# KiCad board PWB4000231.kicad_pcb
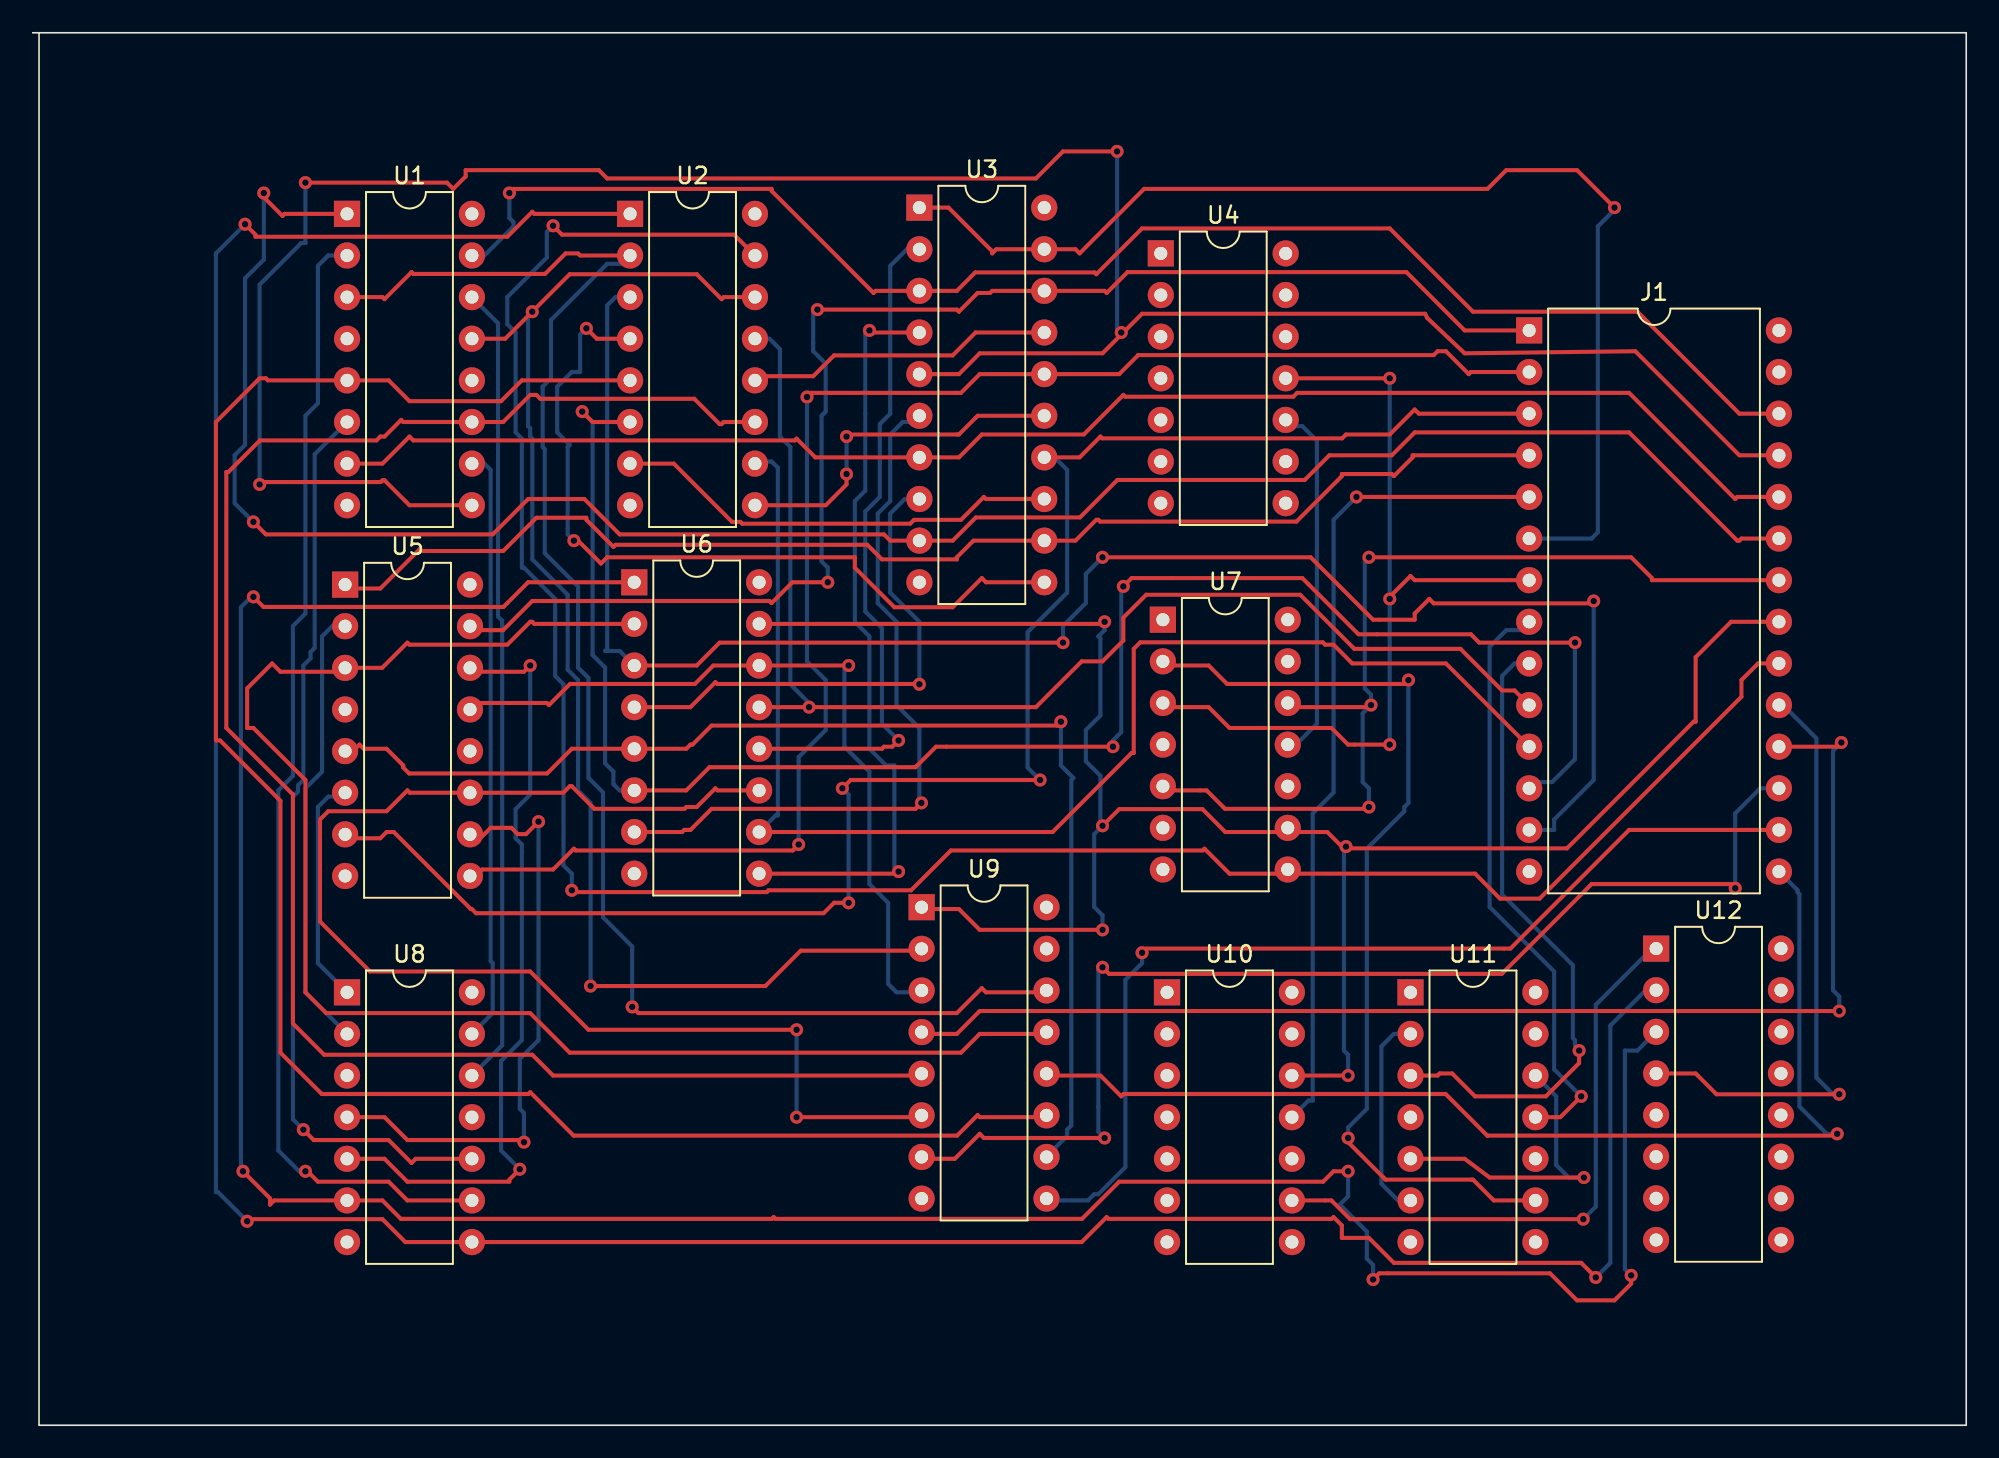
[diagram p0: board, top side]
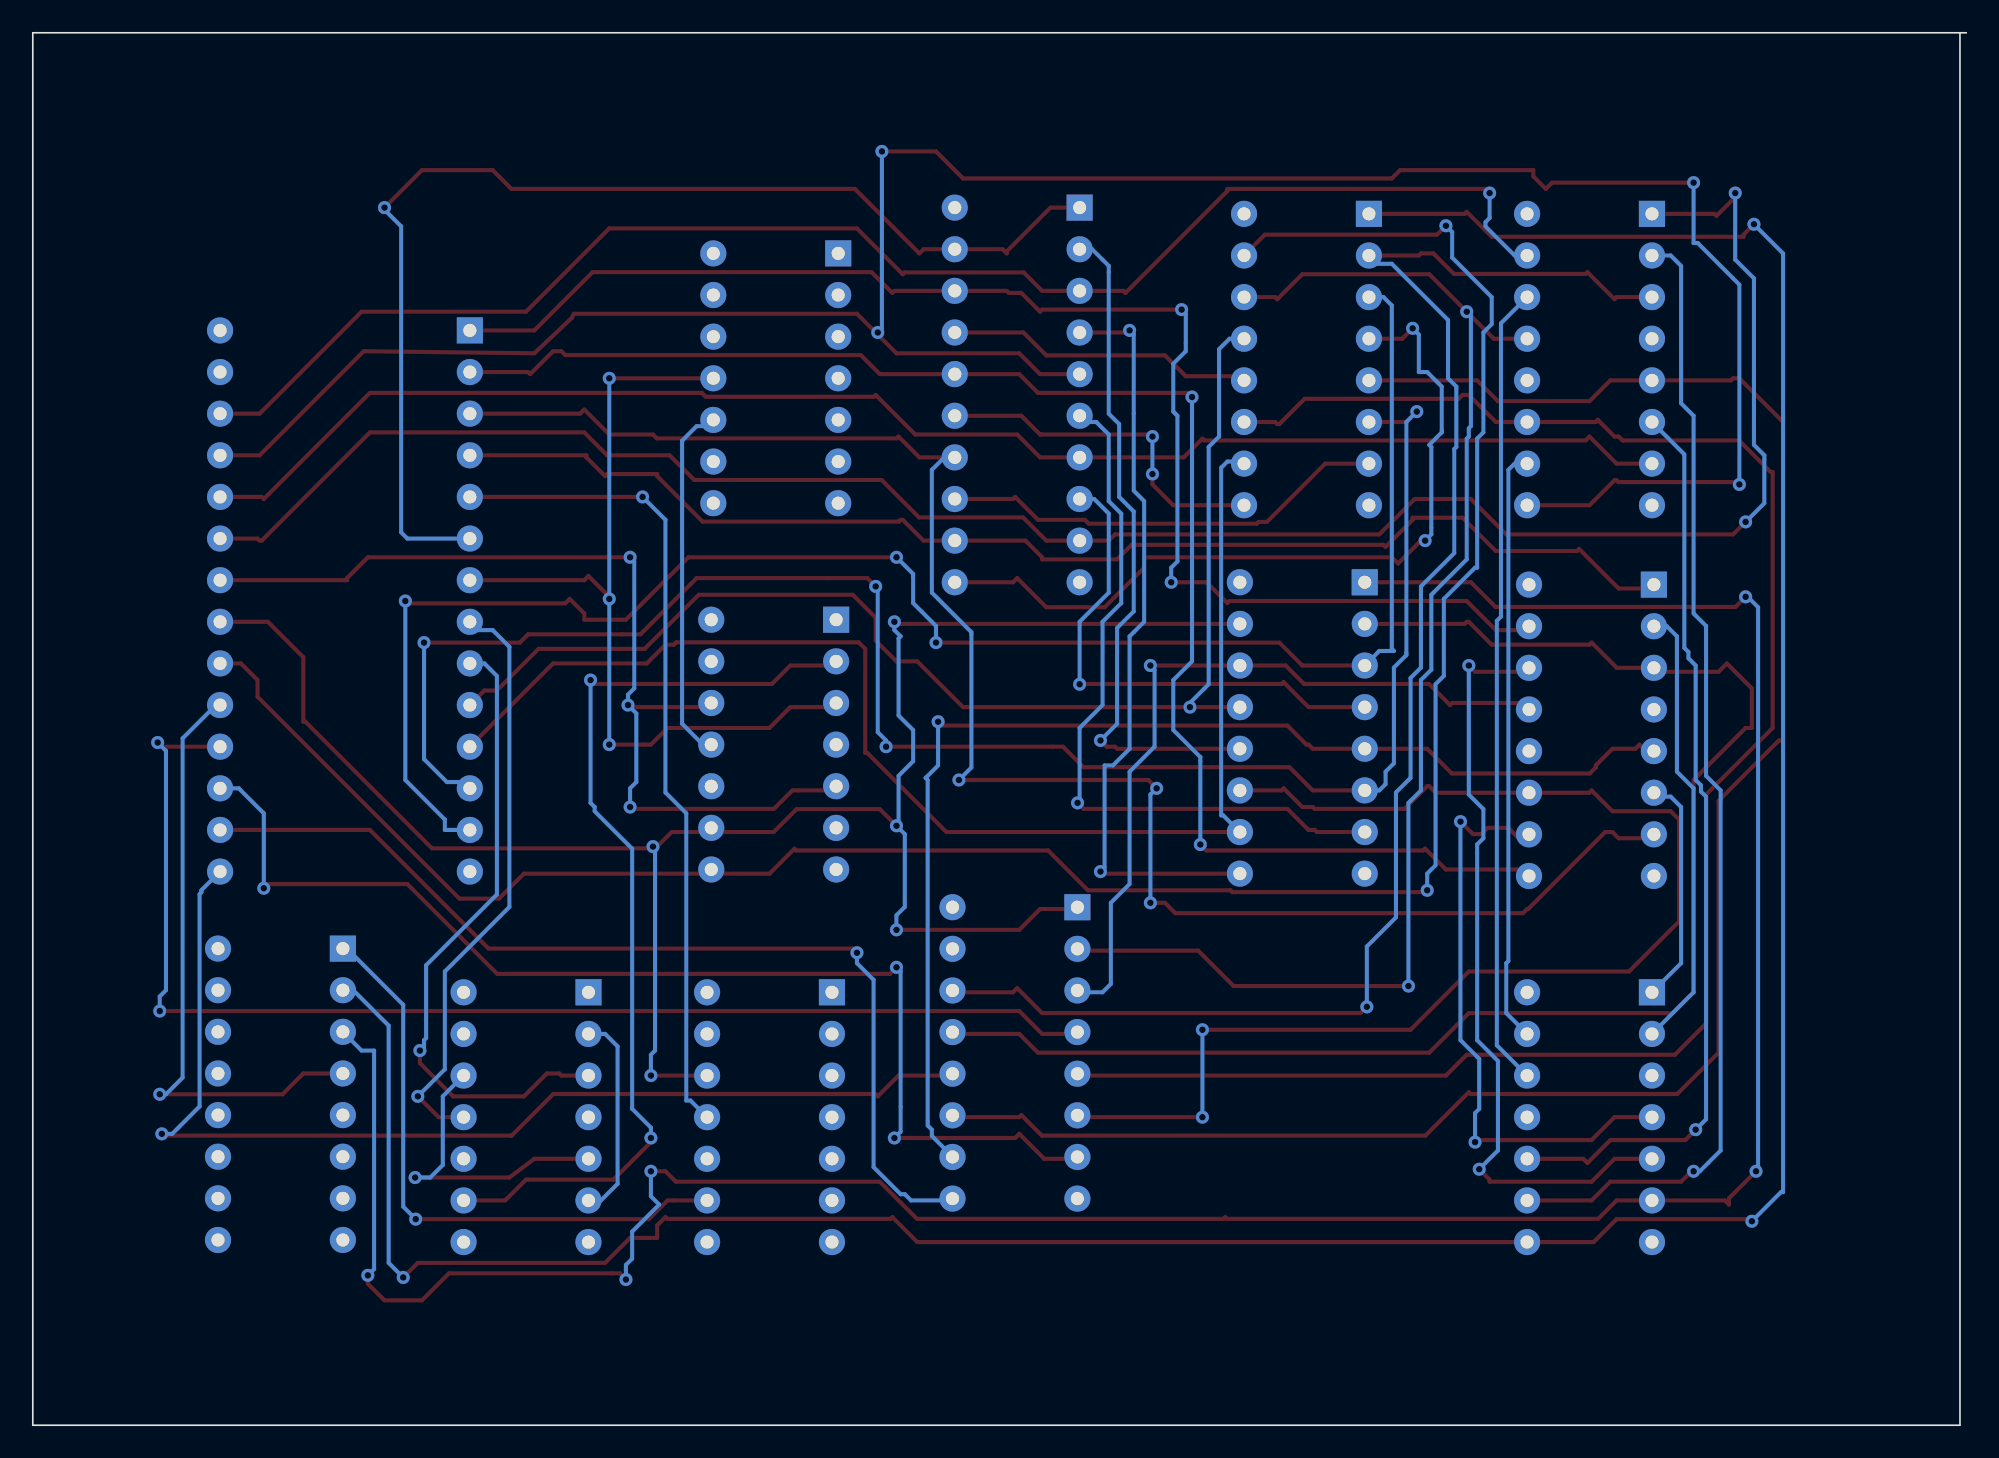
[diagram p1: board, bottom side, seen from below]

Outline 117.98 x 84.96 mm; copper layers: Top, Bottom. Coordinates in mm from the lower left corner of the outline.
Outline path: 0,84.96 117.98,84.96 117.98,0 0.38,0 0.38,84.96

## Placement (name value [footprint] x y rotation side)
J1  Conn_02x14_Counter_Clockwise  [DIP-28_W15.24mm]  91.31 66.8 0 top
U1  74LS375  [DIP-16_W7.62mm]  19.18 73.91 0 top
U2  74LS157  [DIP-16_W7.62mm]  36.45 73.91 0 top
U3  74LS244  [DIP-20_W7.62mm]  54.1 74.3 0 top
U4  74LS04  [DIP-14_W7.62mm]  68.83 71.5 0 top
U5  74LS375  [DIP-16_W7.62mm]  19.06 51.29 0 top
U6  74LS157  [DIP-16_W7.62mm]  36.7 51.44 0 top
U7  74LS74  [DIP-14_W7.62mm]  68.96 49.15 0 top
U8  74LS21  [DIP-14_W7.62mm]  19.18 26.42 0 top
U9  74LS157  [DIP-16_W7.62mm]  54.24 31.61 0 top
U10  74LS74  [DIP-14_W7.62mm]  69.22 26.42 0 top
U11  74LS74  [DIP-14_W7.62mm]  84.07 26.42 0 top
U12  74LS157  [DIP-16_W7.62mm]  99.06 29.08 0 top

## Library data of the parts
J1 = -: Description: Generic connector, double row, 02x14, counter clockwise pin numbering scheme (similar to DIP package numbering), script generated (kicad-library-utils/schlib/autogen/connector/)
U1 U5 = -: Description: 4-bit Latch
U2 U6 U9 U12 = -: Description: Quad 2 to 1 line Multiplexer
U3 = -: Description: Octal Buffer and Line Driver With 3-State Output, active-low enables, non-inverting outputs
U4 = -: Description: Hex Inverter
U7 U10 U11 = -: Description: Dual D Flip-flop, Set & Reset
U8 = -: Description: Dual 4-input AND

## Footprints (pads in the part's own frame, mm; a bottom-side part is the same pattern mirrored in y, then rotated)
DIP-14_W7.62mm
  rect 1.6x1.6 hole 0.8: 1(0,0)
  oval 1.6x1.6 hole 0.8: 2(0,-2.54) 3(0,-5.08) 4(0,-7.62) 5(0,-10.16) 6(0,-12.7) 7(0,-15.24) 8(7.62,-15.24) 9(7.62,-12.7) 10(7.62,-10.16) 11(7.62,-7.62) 12(7.62,-5.08) 13(7.62,-2.54) 14(7.62,0)
DIP-16_W7.62mm
  rect 1.6x1.6 hole 0.8: 1(0,0)
  oval 1.6x1.6 hole 0.8: 2(0,-2.54) 3(0,-5.08) 4(0,-7.62) 5(0,-10.16) 6(0,-12.7) 7(0,-15.24) 8(0,-17.78) 9(7.62,-17.78) 10(7.62,-15.24) 11(7.62,-12.7) 12(7.62,-10.16) 13(7.62,-7.62) 14(7.62,-5.08) 15(7.62,-2.54) 16(7.62,0)
DIP-20_W7.62mm
  rect 1.6x1.6 hole 0.8: 1(0,0)
  oval 1.6x1.6 hole 0.8: 2(0,-2.54) 3(0,-5.08) 4(0,-7.62) 5(0,-10.16) 6(0,-12.7) 7(0,-15.24) 8(0,-17.78) 9(0,-20.32) 10(0,-22.86) 11(7.62,-22.86) 12(7.62,-20.32) 13(7.62,-17.78) 14(7.62,-15.24) 15(7.62,-12.7) 16(7.62,-10.16) 17(7.62,-7.62) 18(7.62,-5.08) 19(7.62,-2.54) 20(7.62,0)
DIP-28_W15.24mm
  rect 1.6x1.6 hole 0.8: 1(0,0)
  oval 1.6x1.6 hole 0.8: 2(0,-2.54) 3(0,-5.08) 4(0,-7.62) 5(0,-10.16) 6(0,-12.7) 7(0,-15.24) 8(0,-17.78) 9(0,-20.32) 10(0,-22.86) 11(0,-25.4) 12(0,-27.94) 13(0,-30.48) 14(0,-33.02) 15(15.24,-33.02) 16(15.24,-30.48) 17(15.24,-27.94) 18(15.24,-25.4) 19(15.24,-22.86) 20(15.24,-20.32) 21(15.24,-17.78) 22(15.24,-15.24) 23(15.24,-12.7) 24(15.24,-10.16) 25(15.24,-7.62) 26(15.24,-5.08) 27(15.24,-2.54) 28(15.24,0)

## Nets
+5V: U2.16 U6.16
PIN01: J1.1 U3.18 U5.15
PIN02: J1.2 U3.16 U5.9
PIN03: J1.3 U3.14 U5.7
PIN04: J1.4 U3.12 U5.1
PIN05: J1.5 U10.11
PIN06: J1.6 U3.1 U3.19
PIN07: J1.7 U4.11 U7.3
PIN08: J1.8 U11.11
PIN09: J1.9 U11.3
PIN10: J1.10 U2.13 U6.13
PIN11: J1.11 U2.10 U6.10
PIN12: J1.12 U2.6 U6.6
PIN13: J1.13 U2.3 U6.3
PIN15: J1.15 U9.12
PIN16: J1.16 U9.9
PIN17: J1.17 U9.7
PIN18: J1.18 U9.4
PIN19: J1.19 U12.4
PIN20: J1.20 U7.8
PIN21: J1.21 U6.15 U7.9 U10.12
PIN22: J1.22 U7.5 U7.12
PIN23: J1.23 U1.1 U3.9
PIN24: J1.24 U1.7 U3.7
PIN25: J1.25 U1.9 U3.5
PIN26: J1.26 U1.15 U3.3
UNK1: U6.1 U8.6 U12.3
UNK2: U2.1 U8.8 U12.2
Net-(U1-Q0): U1.3 U2.2 U9.14
Net-(U1-Q1): U1.5 U2.5 U9.11
Net-(U1-Q2): U1.11 U2.11 U9.5
Net-(U1-Q3): U1.13 U2.14 U9.2
Net-(U1-~{Q0}): U1.2 U8.9
Net-(U1-~{Q1}): U1.6 U8.10
Net-(U1-~{Q2}): U1.10 U8.13
Net-(U1-~{Q3}): U1.14 U8.12
Net-(U2-Za): U2.4 U3.11
Net-(U2-Zb): U2.7 U3.13
Net-(U2-Zc): U2.9 U3.15
Net-(U2-Zd): U2.12 U3.17
Net-(U3-I0a): U3.2 U6.12
Net-(U3-I1a): U3.4 U6.9
Net-(U3-I2a): U3.6 U6.7
Net-(U3-I3a): U3.8 U6.4
Net-(U5-Q0): U5.3 U6.2 U9.13
Net-(U5-Q1): U5.5 U6.5 U9.10
Net-(U5-Q2): U5.11 U6.11 U9.6
Net-(U5-Q3): U5.13 U6.14 U9.3
Net-(U5-~{Q0}): U5.2 U8.2
Net-(U5-~{Q1}): U5.6 U8.1
Net-(U5-~{Q2}): U5.10 U8.4
Net-(U5-~{Q3}): U5.14 U8.5
Net-(U7B-C): U4.10 U7.11
Net-(U10B-Q): U10.9 U12.1
Net-(U11A-D): U11.2 U11.6
Net-(U11A-Q): U11.5 U11.12
Net-(U11B-Q): U7.2 U11.9

Pads without a net: J1 14 27 28; U1 4 8 12 16; U2 8 15; U3 10 20; U4 1 2 3 4 5 6 7 8 9 12 13 14; U5 4 8 12 16; U6 8; U7 1 4 6 7 10 13 14; U8 3 7 11 14; U9 1 8 15 16; U10 1 2 3 4 5 6 7 8 10 13 14; U11 1 4 7 8 10 13 14; U12 5 6 7 8 9 10 11 12 13 14 15 16

## Via types
v1: diameter 0.8, hole 0.4, Top to Bottom, 81 vias

## Routing (per net, layer and track width the routed paths; a pad name or vN(x,y) marks a point on that pad's centre or on a via; arc(x,y) is an arc through that point)
PIN01: length 86.7
  Top w0.25: v1(47.88,68.07) 56.39,68.07 56.51,67.94 57.66,69.09 58.42,69.09 58.55,69.22 U3.18 65.41,69.22 65.53,69.09 66.8,70.36 83.82,70.36 87.38,66.8 J1.1 ; v1(48.51,51.44) 46.35,51.44 45.08,50.17 44.96,50.29 30.48,50.29 28.7,48.51 26.54,48.51
  Bottom w0.25: v1(47.88,68.07) 47.62,67.82 47.62,65.53 48.39,64.77 48.39,61.85 48.13,61.59 48.13,52.7 48.51,52.32 v1(48.51,51.44)
PIN02: length 95.5
  Top w0.25: v1(46.74,35.43) 46.37,35.07 33.13,35.07 33.02,35.18 31.75,33.91 27.43,33.91 26.8,33.27 26.54,33.27 ; J1.2 87.76,64.26 87.63,64.13 86.23,65.53 85.72,65.53 85.49,65.3 67.46,65.3 66.29,64.13 U3.16 57.78,64.13 56.64,62.99 47.5,62.99 v1(47.24,62.74)
  Bottom w0.25: v1(47.24,62.74) 47.24,46.61 48.39,45.47 48.39,42.42 46.74,40.77 v1(46.74,35.43)
PIN03: length 105.7
  Top w0.25: U3.14 63.88,59.05 65.15,60.32 65.26,60.22 79.9,60.22 80.14,60.45 82.8,60.45 84.33,61.98 84.58,61.72 J1.3 ; v1(49.78,31.88) 48.9,31.88 48.26,31.24 27.05,31.24 26.8,31.5 26.73,31.5 22.03,36.19 21.59,36.19 21.21,35.81 18.92,35.81 ; v1(61.47,39.37) 49.91,39.37 v1(49.4,38.86)
  Bottom w0.25: v1(61.47,39.37) 60.71,40.13 60.71,48.39 63.12,50.8 63.12,58.29 62.36,59.05 U3.14 ; v1(49.78,31.88) 49.78,38.48 v1(49.4,38.86)
PIN04: length 78.6
  Top w0.25: 18.92,51.05 21.21,51.05 23.62,53.47 23.75,53.34 28.7,53.34 30.73,55.37 33.78,55.37 33.78,55.24 35.43,53.59 35.56,53.72 50.93,53.72 51.82,52.83 56.39,52.83 56.39,52.96 57.4,53.98 U3.12 63.63,53.98 64.9,55.24 65.02,55.24 65.13,55.14 77.11,55.14 79.88,57.91 79.88,58.04 82.93,58.04 83.06,57.91 84.2,59.05 84.2,59.18 J1.4
PIN05: length 50.2
  Top w0.25: v1(80.77,56.64) J1.5
  Bottom w0.25: U10.11 77.85,19.81 78.1,19.81 78.1,37.34 79.38,38.61 79.38,55.24 v1(80.77,56.64)
PIN06: length 71.5
  Top w0.25: U3.1 55.88,74.3 58.55,71.63 58.55,71.5 58.8,71.75 U3.19 63.63,71.75 63.88,71.5 67.82,75.44 88.77,75.44 89.92,76.58 94.23,76.58 v1(96.52,74.3)
  Bottom w0.25: 91.31,54.1 95.12,54.1 95.5,54.48 95.5,73.15 96.52,74.17 v1(96.52,74.3)
PIN07: length 52.5
  Top w0.25: U4.11 v1(82.8,63.88) ; J1.7 84.33,51.56 84.07,51.82 82.8,50.55 v1(82.8,50.42) ; v1(82.8,41.53) 80.26,41.53 79.25,42.55 73.03,42.55 71.75,43.81 69.22,43.81
  Bottom w0.25: v1(82.8,41.53) v1(82.8,50.42) v1(82.8,63.88)
PIN08: length 36.1
  Top w0.25: v1(94.49,20.07) 93.22,18.8 U11.11
  Bottom w0.25: J1.8 90.81,48.51 89.92,48.51 88.9,47.5 88.9,31.62 92.84,27.69 92.84,21.72 v1(94.49,20.07)
PIN09: length 39.3
  Top w0.25: U11.3 85.72,21.34 85.85,21.46 86.61,21.46 88.01,20.07 92.33,20.07 94.36,22.1 v1(94.36,22.86)
  Bottom w0.25: J1.9 90.42,46.48 89.66,45.72 89.66,32.39 93.98,28.07 93.98,23.62 94.11,23.5 94.11,23.11 v1(94.36,22.86)
PIN10: length 77.8
  Top w0.25: J1.10 90.42,44.83 89.66,44.83 87.12,47.37 80.65,47.37 77.34,50.67 67.94,50.67 66.55,49.28 66.55,47.88 65.28,46.61 64.01,46.61 61.21,43.81 U6.13
  Bottom w0.25: 44.07,66.29 44.96,66.29 45.59,65.66 45.59,60.32 46.23,59.69 46.23,45.21 47.37,44.07 v1(47.37,43.81)
PIN11: length 82.5
  Top w0.25: J1.11 86.23,46.48 80.52,46.48 79.38,47.62 78.87,47.62 78.72,47.77 67.58,47.77 67.18,47.37 67.18,41.02 67.06,41.02 62.23,36.19 U6.10
  Bottom w0.25: U2.10 44.2,58.8 45.08,58.8 45.47,58.42 45.47,37.21 45.34,37.21 U6.10
PIN12: length 108.5
  Top w0.25: v1(65.91,41.4) 55.12,41.4 53.87,40.15 41.29,40.15 39.88,38.73 U6.6 ; v1(94.11,47.75) 88.26,47.75 87.76,48.26 80.9,48.26 77.47,51.69 67.06,51.69 v1(66.55,51.18) ; v1(33.53,61.85) 34.16,61.21 U2.6
  Bottom w0.25: v1(65.91,41.4) 65.91,41.78 66.42,42.29 66.42,51.05 v1(66.55,51.18) ; v1(94.11,47.75) 94.11,40.64 92.71,39.24 91.69,39.24 J1.12 ; U6.6 35.81,38.73 35.43,39.12 35.43,39.88 34.92,40.39 34.92,46.23 34.16,46.99 34.16,61.21 v1(33.53,61.85)
PIN13: length 106.8
  Top w0.25: v1(95.25,50.29) 95.1,50.15 85.49,50.15 85.22,50.42 84.33,49.53 84.33,49.15 81.79,49.15 77.98,52.96 v1(65.28,52.96) ; v1(62.87,47.75) 41.91,47.75 40.51,46.36 U6.3
  Bottom w0.25: 36.45,68.83 35.56,68.83 35.05,68.33 35.05,47.37 34.92,47.24 35.81,47.24 U6.3 ; v1(62.87,47.75) 62.87,48.77 64.26,50.17 64.26,51.94 v1(65.28,52.96) ; v1(95.25,50.29) 95.25,39.37 92.84,36.96 92.84,36.32 J1.13
PIN15: length 67.9
  Top w0.25: 61.72,21.34 65.15,21.34 66.42,20.07 66.57,20.21 86.22,20.21 88.77,17.65 88.79,17.67 110,17.67 v1(110.11,17.78)
  Bottom w0.25: v1(110.11,17.78) 109.47,17.78 107.81,19.45 107.81,32.4 107.7,32.51 107.7,32.64 J1.15
PIN16: length 61.3
  Top w0.25: v1(67.69,28.83) 67.94,29.08 90.17,29.08 97.41,36.32 J1.16
  Bottom w0.25: v1(67.69,28.83) 67.69,28.19 66.68,27.18 66.68,15.75 65.02,14.1 64.77,14.1 64.39,13.72 61.72,13.72
PIN17: length 71.7
  Top w0.25: 54.1,16.26 56.26,16.26 57.78,17.78 58.04,17.53 v1(65.41,17.53) ; v1(103.89,32.77) 103.63,33.02 95.12,33.02 89.64,27.54 65.68,27.54 v1(65.28,27.94)
  Bottom w0.25: J1.17 105.41,38.86 103.89,37.34 v1(103.89,32.77) ; v1(65.41,17.53) 65.02,17.91 65.02,27.69 v1(65.28,27.94)
PIN18: length 77.4
  Top w0.25: 54.1,23.88 56.39,23.88 57.78,25.27 v1(110.24,25.27) ; J1.18 110.11,41.4 v1(110.36,41.66)
  Bottom w0.25: v1(110.36,41.66) 109.85,41.15 109.85,26.54 110.24,26.16 v1(110.24,25.27)
PIN19: length 37.3
  Top w0.25: v1(110.24,20.19) 102.74,20.19 101.47,21.46 U12.4
  Bottom w0.25: v1(110.24,20.19) 109.85,20.19 108.84,21.21 108.84,41.91 106.81,43.94 J1.19
PIN20: length 139.1
  Top w0.25: v1(31.75,73.19) 32.3,72.64 42.8,72.64 44.07,71.37 ; J1.20 105.28,46.48 104.27,45.47 104.27,44.45 91.95,32.13 89.53,32.13 88.01,33.66 73.03,33.66 71.5,35.18 71.39,35.07 56.03,35.07 53.59,32.64 44.9,32.64 44.79,32.53 33,32.53 v1(32.89,32.64)
  Bottom w0.25: v1(32.89,32.64) 32.89,33.66 32.39,34.16 32.39,45.21 31.88,45.72 31.88,50.42 29.97,52.32 29.84,52.32 29.84,60.2 29.46,60.58 29.46,66.67 28.96,67.18 28.96,68.83 31.37,71.25 31.37,72.81 v1(31.75,73.19)
PIN21: length 121.3
  Top w0.25: U6.15 65.28,48.89 v1(65.41,49.02) ; U10.12 v1(80.26,21.34) ; 54.1,31.5 56.51,31.5 57.78,30.23 v1(65.28,30.23) ; v1(65.28,36.58) 66.29,37.59 71.37,37.59 72.77,36.19 78.99,36.19 79.99,35.2 93.62,35.2 101.35,42.93 101.47,42.93 101.47,46.86 103.63,49.02 J1.21
  Bottom w0.25: v1(80.14,35.31) 80.01,35.18 80.01,22.86 80.26,22.61 v1(80.26,21.34) ; v1(65.41,49.02) 65.41,48.51 65.02,48.13 65.15,48.01 65.15,43.31 64.26,42.42 64.26,40.51 65.15,39.62 65.15,36.7 v1(65.28,36.58) 64.77,36.07 64.77,31.62 65.28,31.11 v1(65.28,30.23)
PIN22: length 59.3
  Top w0.25: 69.22,38.73 71.63,38.73 72.75,37.61 81.43,37.61 v1(81.53,37.72) ; v1(81.53,52.96) 97.54,52.96 98.81,51.69 98.81,51.56 J1.22 ; v1(81.66,43.94) 81.53,43.81 76.84,43.81
  Bottom w0.25: v1(81.53,52.96) 81.28,52.7 81.28,44.96 81.66,44.58 v1(81.66,43.94) 81.15,43.43 81.15,39.24 81.53,38.86 v1(81.53,37.72)
PIN23: length 128
  Top w0.25: U1.1 15.37,73.91 15.24,73.79 14.1,74.93 v1(14.1,75.18) ; v1(13.46,55.12) 14.22,54.36 28.07,54.36 30.23,56.52 33.66,56.52 35.81,54.36 51.94,54.36 52.32,53.98 U3.9 56.13,53.98 57.55,55.39 63.9,55.39 66.19,57.68 77.62,57.68 79.12,59.18 82.93,59.18 84.33,60.58 97.41,60.58 104.01,53.98 104.14,53.98 104.27,54.1 106.55,54.1
  Bottom w0.25: v1(13.46,55.12) 12.32,56.26 12.32,59.18 12.95,59.82 12.95,69.98 14.1,71.12 v1(14.1,75.18)
PIN24: length 93.1
  Top w0.25: U1.7 21.34,58.67 22.99,60.32 23.22,60.09 46.5,60.09 46.61,60.2 47.75,59.05 U3.7 56.51,59.05 57.91,60.45 64.13,60.45 66.55,62.87 66.66,62.76 76.92,62.76 77.16,62.99 97.41,62.99 103.89,56.52 104.01,56.64 J1.24
PIN25: length 153.5
  Top w0.25: U3.5 56.51,64.13 57.78,65.41 65.28,65.41 67.69,67.82 84.96,67.82 85.09,67.56 87.38,65.41 97.79,65.53 104.14,59.18 J1.25 ; v1(16.64,75.82) 25.27,75.82 25.65,75.44 26.42,76.2 26.42,76.58 34.54,76.58 35.05,76.07 61.21,76.07 62.87,77.72 v1(66.17,77.72) ; U1.9 22.99,56.13 21.46,57.66 21.34,57.66 21.23,57.55 13.99,57.55 v1(13.84,57.4)
  Bottom w0.25: v1(66.42,66.67) 66.17,66.93 v1(66.17,77.72) ; v1(13.84,57.4) 13.84,69.6 16.38,72.14 16.64,72.14 v1(16.64,75.82)
PIN26: length 92.1
  Top w0.25: v1(29.08,75.18) 29.34,75.44 45.08,75.44 45.08,75.31 51.31,69.09 51.44,69.22 U3.3 56.39,69.22 57.51,70.34 64.79,70.34 64.9,70.23 67.69,73.03 82.8,73.03 87.88,67.94 97.92,67.94 104.14,61.72 J1.26
  Bottom w0.25: U1.15 27.56,71.37 29.34,73.15 29.34,73.41 29.08,73.66 v1(29.08,75.18)
UNK1: length 171.4
  Top w0.25: v1(81.79,8.89) 82.17,9.27 92.58,9.27 94.23,7.62 96.52,7.62 97.54,8.64 v1(97.54,9.14) ; U6.1 30.23,51.44 28.72,49.93 14.08,49.93 v1(13.46,50.55) ; v1(80.26,15.49) 79.38,15.49 78.74,14.86 66.29,14.86 64.03,12.59 45.32,12.59 45.21,12.7 45.1,12.59 22.46,12.59 21.34,13.72 U8.6 14.73,13.72 14.48,13.46 14.48,13.84 v1(12.83,15.49)
  Bottom w0.25: v1(81.79,8.89) 81.79,9.78 81.41,10.16 81.41,11.81 79.76,13.46 80.26,13.97 v1(80.26,15.49) ; U12.3 97.92,22.86 97.16,22.86 97.16,9.53 v1(97.54,9.14) ; v1(13.46,50.55) 13.33,50.55 12.7,49.91 12.7,15.62 v1(12.83,15.49)
UNK2: length 192
  Top w0.25: v1(13.08,12.45) 13.21,12.57 21.34,12.57 22.73,11.18 U8.8 64.01,11.18 65.53,12.7 65.64,12.59 79.27,12.59 79.38,12.7 79.88,12.19 79.88,11.43 81.53,11.43 83.06,9.91 94.49,9.91 v1(95.38,9.02) ; U2.1 30.61,73.91 30.48,74.04 28.96,72.52 13.59,72.52 13.59,72.64 v1(12.95,73.28)
  Bottom w0.25: v1(12.95,73.28) 11.18,71.5 11.18,14.22 11.3,14.22 v1(13.08,12.45) ; v1(95.38,9.02) 96.27,9.91 96.27,24.38 98.43,26.54 U12.2
Net-(U1-Q0): length 95.5
  Top w0.25: U2.2 33.4,71.37 33.27,71.5 32.51,71.5 31.26,70.25 23.22,70.25 23.11,70.36 21.46,68.71 21.34,68.83 19.18,68.83 ; v1(36.58,25.53) 36.96,25.15 56.39,25.15 57.91,26.67 58.17,26.42 61.72,26.42
  Bottom w0.25: U2.2 35.94,70.87 35.05,70.87 31.62,67.44 31.62,63.88 31.11,63.37 31.11,59.69 31.24,59.56 31.24,53.21 33.27,51.18 33.27,46.23 33.91,45.59 33.91,39.5 34.8,38.61 34.8,30.99 36.58,29.21 v1(36.58,25.53)
Net-(U1-Q1): length 117.1
  Top w0.25: 36.45,63.75 29.84,63.75 28.58,62.48 22.99,62.48 21.72,63.75 14.35,63.75 14.22,63.88 13.84,63.88 11.18,61.21 11.18,41.78 11.43,41.78 15.11,38.1 15.11,22.73 17.64,20.21 30.24,20.21 30.35,20.32 33,17.67 56.41,17.67 57.66,18.92 57.78,18.8 61.72,18.8
Net-(U1-Q2): length 110
  Top w0.25: 54.1,21.34 31.75,21.34 30.48,22.61 17.78,22.61 15.88,24.51 15.88,38.48 11.81,42.55 11.81,58.17 11.94,58.17 13.86,60.09 20.97,60.09 21.21,60.32 21.46,60.32 22.48,61.34 22.61,61.21 U1.11 28.7,61.21 30.35,62.87 30.73,62.87 30.97,62.63 40.37,62.63 41.91,61.09 42.04,61.09 42.16,61.21 U2.11
Net-(U1-Q3): length 83.4
  Top w0.25: 54.1,28.96 46.86,28.96 44.7,26.8 v1(34.04,26.8) ; 26.8,66.29 28.83,66.29 32.77,70.23 40.51,70.23 42.04,68.71 42.16,68.83 44.07,68.83
  Bottom w0.25: v1(34.04,26.8) 34.04,37.97 33.27,38.73 33.27,45.47 32.64,46.1 32.64,50.67 30.48,52.83 30.48,60.2 30.35,60.32 30.35,60.83 30.23,60.96 30.23,67.69 v1(30.48,67.94)
Net-(U1-~{Q0}): length 70.1
  Top w0.25: v1(16.64,15.49) 16.76,15.49 17.4,14.86 21.72,14.86 22.86,13.72 U8.9
  Bottom w0.25: v1(16.64,15.49) 16.26,15.49 14.99,16.76 14.99,38.73 15.88,39.62 15.88,48.77 16.64,49.53 16.64,61.59 17.4,62.36 17.4,70.74 18.03,71.37 U1.2
Net-(U1-~{Q1}): length 56
  Top w0.25: U8.10 23.37,16.26 23.11,16 21.72,17.4 17.14,17.4 v1(16.51,18.03)
  Bottom w0.25: v1(16.51,18.03) 15.88,18.67 15.88,38.35 16.19,38.67 16.19,39.05 16.51,39.37 16.51,46.36 16.95,46.8 16.95,47.18 17.2,47.43 17.2,59.24 U1.6
Net-(U1-~{Q2}): length 36.3
  Bottom w0.25: 26.8,23.88 28.07,25.15 28.07,28.19 27.94,28.32 27.94,58.29 27.56,58.67 U1.10
Net-(U1-~{Q3}): length 49
  Bottom w0.25: U8.12 28.64,23.18 28.64,49.08 28.39,49.34 28.39,67.24 26.8,68.83
Net-(U2-Za): length 49.4
  Top w0.25: U3.11 58.17,51.44 57.91,51.69 56.13,49.91 52.58,49.91 50.16,52.32 50.16,52.96 35.05,52.96 34.67,52.58 33.27,53.98 v1(33.02,53.98) ; 36.45,66.29 34.42,66.29 v1(33.78,66.93)
  Bottom w0.25: v1(33.78,66.93) 33.4,66.55 33.4,64.26 32.89,64.26 32,63.37 32,60.58 32.77,59.82 32.64,59.69 32.64,54.36 v1(33.02,53.98)
Net-(U2-Zb): length 27.5
  Top w0.25: U2.7 39.12,58.67 42.67,55.12 43.18,55.12 43.29,55.01 53.55,55.01 53.78,55.24 56.64,55.24 58.04,56.64 58.17,56.52 U3.13
Net-(U2-Zc): length 21.6
  Top w0.25: U3.15 57.66,61.59 56.51,60.45 49.78,60.45 v1(49.66,60.32) ; v1(49.66,58.04) 49.66,57.4 48.39,56.13 U2.9
  Bottom w0.25: v1(49.66,60.32) v1(49.66,58.04)
Net-(U2-Zd): length 18.9
  Top w0.25: U3.17 57.53,66.67 56.13,65.28 48.9,65.28 47.62,64.01 44.32,64.01 44.07,63.75
Net-(U3-I0a): length 41.3
  Top w0.25: U6.12 51.82,41.28 51.94,41.4 52.45,41.4 v1(52.83,41.78)
  Bottom w0.25: v1(52.83,41.78) 51.82,42.8 51.82,48.64 50.8,49.66 50.8,55.75 51.69,56.64 51.69,61.09 52.32,61.72 52.32,70.74 53.34,71.75 U3.2
Net-(U3-I1a): length 46.5
  Top w0.25: U6.9 52.71,33.66 v1(52.83,33.78) ; U3.4 51.18,66.67 v1(51.05,66.8)
  Bottom w0.25: v1(52.83,33.78) 52.58,34.04 52.58,40.26 52.07,40.26 51.05,41.28 51.05,48.13 50.16,49.02 50.16,56.39 50.8,57.02 50.8,66.55 v1(51.05,66.8)
Net-(U3-I2a): length 44.4
  Top w0.25: v1(54.23,37.97) 53.87,37.61 41.42,37.61 40.13,36.32 39.75,36.32 39.62,36.19 U6.7
  Bottom w0.25: U3.6 53.72,61.21 53.09,61.21 52.32,60.45 52.32,56.39 51.56,55.63 51.56,50.17 52.71,49.02 52.71,43.94 54.1,42.55 54.1,38.1 v1(54.23,37.97)
Net-(U3-I3a): length 31.4
  Top w0.25: v1(54.1,45.21) 54.08,45.23 41.77,45.23 41.66,45.34 40.13,43.81 U6.4
  Bottom w0.25: v1(54.1,45.21) 54.1,49.02 52.32,50.8 52.32,55.63 53.21,56.52 U3.8
Net-(U5-Q0): length 93
  Top w0.25: U6.2 30.61,48.89 30.48,49.02 30.35,49.02 28.96,47.63 22.98,47.63 22.86,47.75 21.32,46.21 U5.3 ; 61.72,23.88 57.78,23.88 56.64,22.73 32.77,22.73 30.35,25.15 17.91,25.15 16.64,26.42 16.64,39.37 13.46,42.55 13.08,42.55 13.08,44.96 14.61,46.48 15.11,45.97 18.92,45.97
Net-(U5-Q1): length 73.9
  Top w0.25: v1(62.74,42.93) 62.5,42.69 41.42,42.69 40.26,41.53 40.13,41.53 39.88,41.28 U6.5 32.89,41.28 31.39,39.77 22.97,39.77 22.61,40.13 22.61,40.26 21.59,41.28 20.19,41.28 19.94,41.53 19.3,40.89 18.92,40.89
  Bottom w0.25: 61.72,16.26 63.12,17.65 63.12,18.03 63.37,18.29 63.37,39.37 63.5,39.5 62.74,40.26 v1(62.74,42.93)
Net-(U5-Q2): length 79.8
  Top w0.25: 54.1,18.8 v1(46.61,18.8) ; v1(46.61,24.13) 33.91,24.13 30.35,27.69 20.57,27.69 17.53,30.73 17.53,36.96 18.03,37.47 21.59,37.47 22.86,38.73 23,38.59 32.37,38.59 32.77,38.99 32.89,38.99 34.27,37.61 39.77,37.61 39.88,37.72 40.51,37.72 41.66,38.86 41.78,38.73 U6.11
  Bottom w0.25: v1(46.61,18.8) v1(46.61,24.13)
Net-(U5-Q3): length 47.3
  Top w0.25: 26.54,43.43 27.18,44.07 31.37,44.07 31.5,43.94 32.78,45.23 40.4,45.23 41.53,46.36 U6.14 v1(49.78,46.36)
  Bottom w0.25: v1(49.78,46.36) 49.53,46.1 49.53,41.4 51.05,39.88 51.05,33.02 52.2,31.88 52.2,26.92 52.71,26.42 54.1,26.42
Net-(U5-~{Q0}): length 27.4
  Bottom w0.25: 19.18,23.88 16.64,26.42 16.64,38.86 17.65,39.88 17.65,48.13 18.27,48.75 U5.2
Net-(U5-~{Q1}): length 13.8
  Bottom w0.25: U8.1 17.4,28.19 17.4,37.72 18.03,38.35 18.92,38.35
Net-(U5-~{Q2}): length 36.6
  Top w0.25: v1(29.97,17.27) 29.84,17.4 22.86,17.4 21.46,18.8 U8.4 ; v1(30.86,36.83) 30.1,36.07 29.59,36.07 29.21,36.45 27.94,36.45 27.3,35.81 26.54,35.81
  Bottom w0.25: v1(29.97,17.27) 29.97,19.05 29.72,19.3 29.72,22.35 30.86,23.5 v1(30.86,36.83)
Net-(U5-~{Q3}): length 47.7
  Top w0.25: v1(30.35,46.36) 29.97,45.97 26.54,45.97 ; U8.5 21.46,16.26 22.86,14.86 29.08,14.86 29.08,14.99 v1(29.72,15.62)
  Bottom w0.25: v1(30.35,46.36) 30.35,38.48 29.46,37.59 29.46,35.81 29.84,35.43 29.84,23.5 28.58,22.22 28.58,16.76 v1(29.72,15.62)
Net-(U7B-C): length 21.9
  Bottom w0.25: 76.84,41.28 78.36,42.8 78.36,60.07 77.47,60.96 76.84,60.96 U4.10
Net-(U10B-Q): length 36.8
  Top w0.25: v1(94.62,12.57) 80.39,12.57 79.25,13.72 U10.9
  Bottom w0.25: U12.1 98.81,29.08 95.38,25.65 95.38,13.33 v1(94.62,12.57)
Net-(U11A-D): length 12.7
  Bottom w0.25: 84.07,23.88 83.06,23.88 82.3,23.11 82.3,14.73 83.31,13.72 U11.6
Net-(U11A-Q): length 18.9
  Top w0.25: U11.5 87.38,16.26 88.9,15.11 v1(94.65,15.11)
  Bottom w0.25: v1(94.65,15.11) 93.73,15.11 92.96,15.88 92.96,20.07 U11.12
Net-(U11B-Q): length 57.9
  Top w0.25: U11.9 89.15,13.72 87.88,14.99 82.55,14.99 80.26,17.27 v1(80.26,17.53) ; 69.22,46.36 71.75,46.36 72.88,45.23 83.71,45.23 v1(83.95,45.47)
  Bottom w0.25: v1(80.26,17.53) 80.26,18.16 81.41,19.3 81.41,35.18 83.69,37.47 83.69,37.72 83.95,37.97 v1(83.95,45.47)
